# Altium PCB HACK_LINK_V1_new_power.PcbDoc (part 5 of 6)
Units mm, origin at the board's own origin, x right, y up, seen from the top; angles counter-clockwise.
Board outline 67.51 x 40.01 mm, 6 copper layers (L1, L2, L3, GND, POWER, L6); 277 components, 286 nets, 1682 pads, 596 vias.
Unrouted connection lines stored in the file: 4.
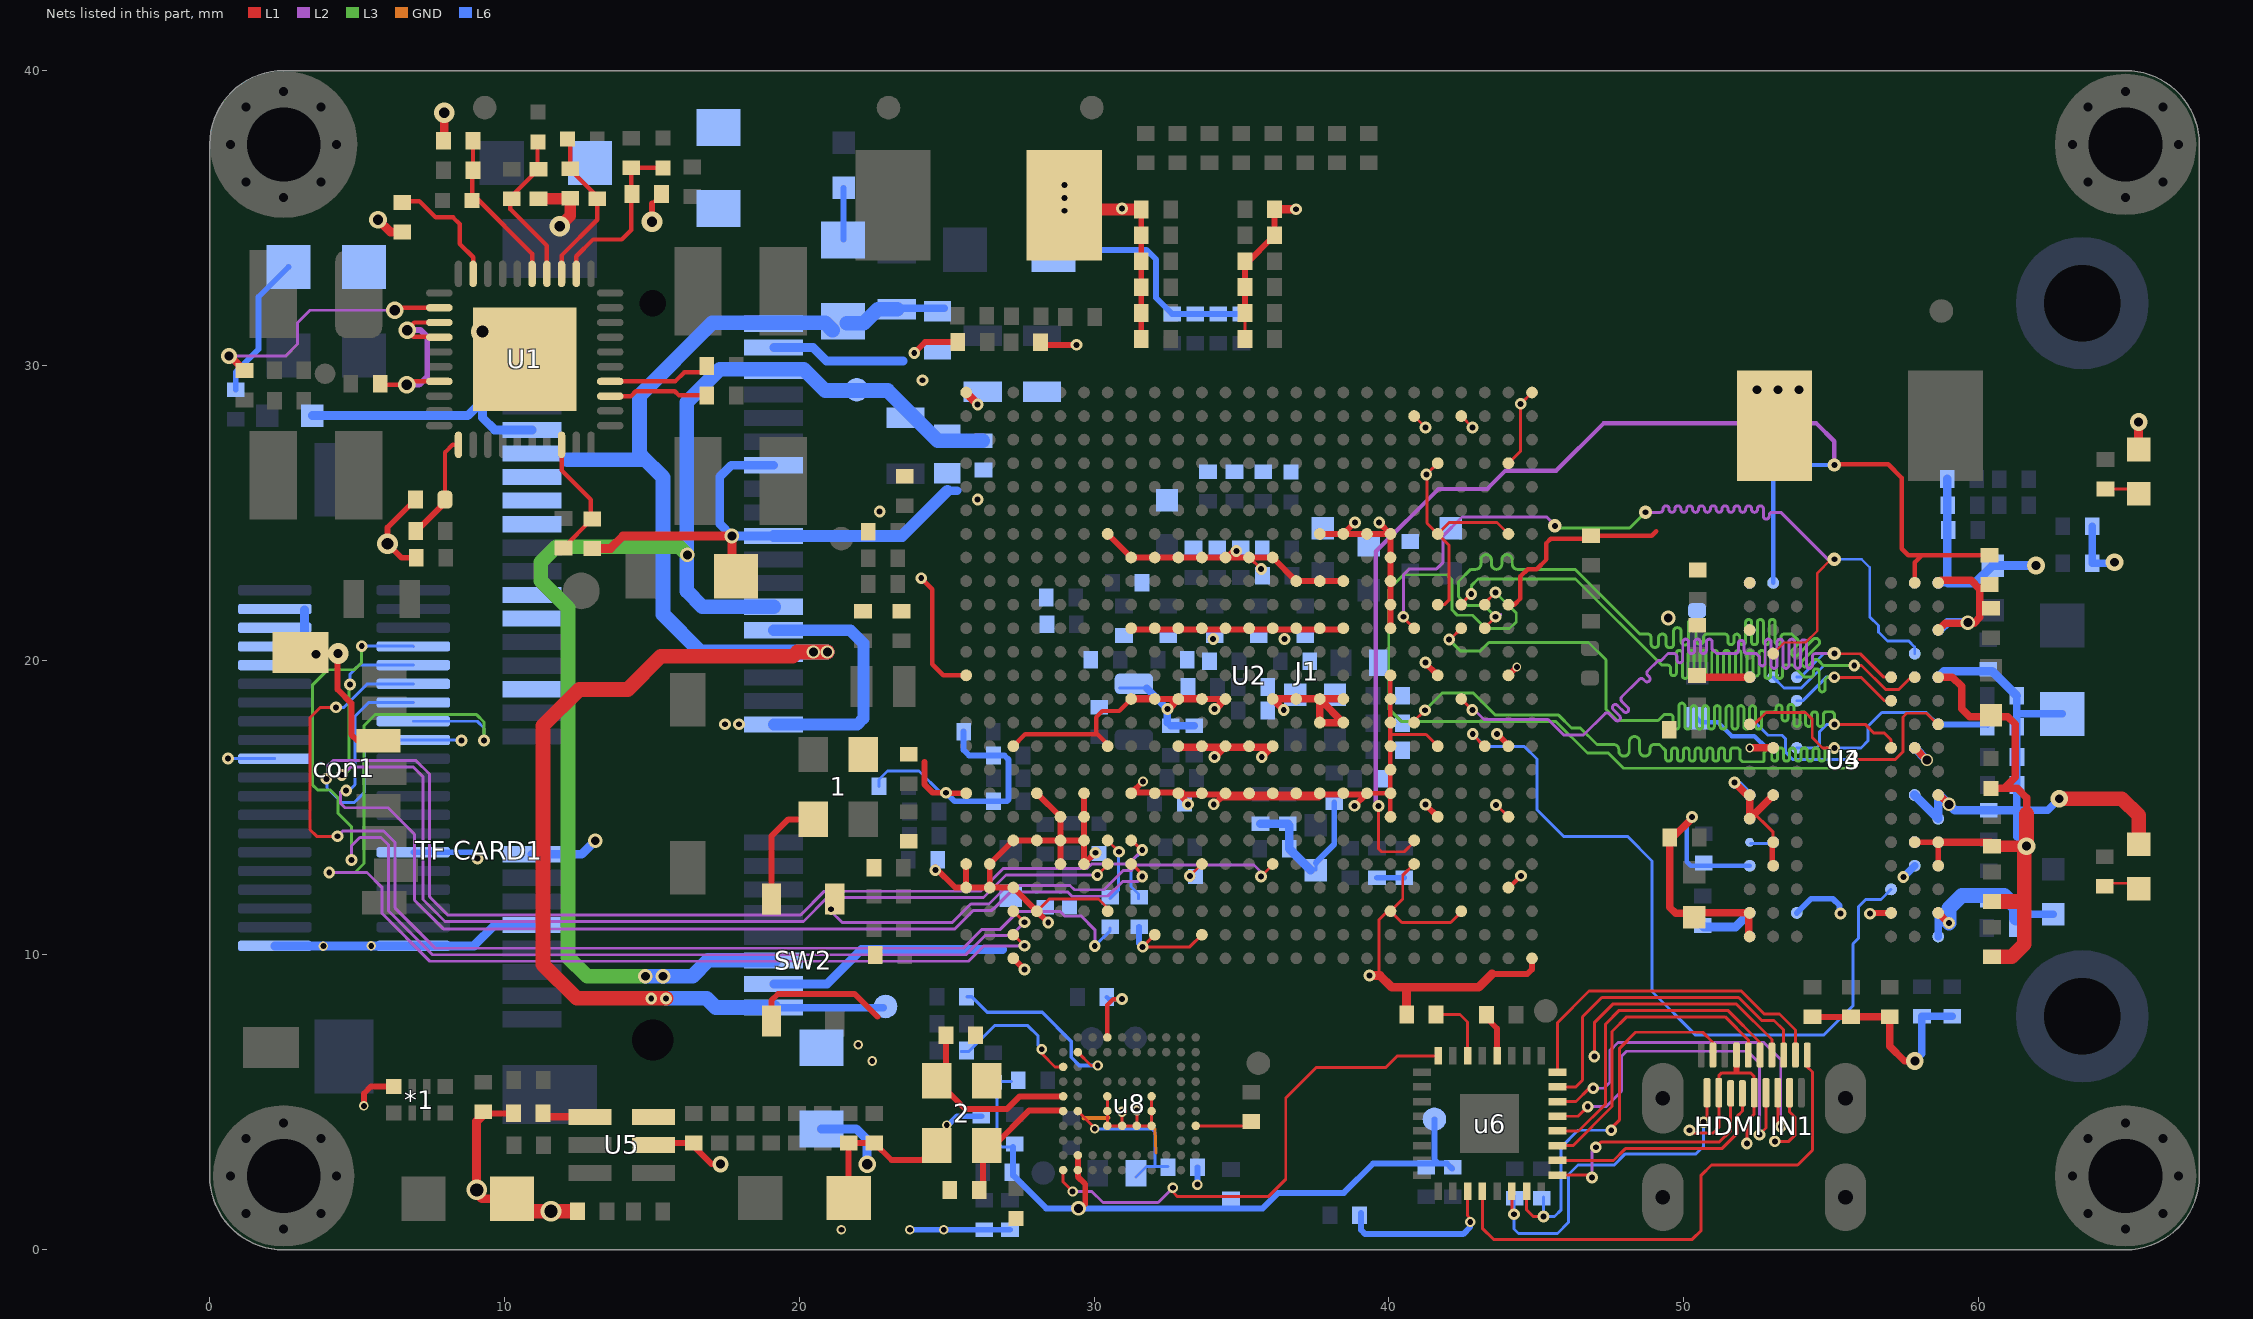
[diagram p9: the nets of this part, all layers, seen from the top]

## Via types
v1: diameter 0.4, hole 0.2, L1 to L6, tented both sides, 388 vias
v2: diameter 0.35, hole 0.2, L1 to L6, tented both sides, 45 vias
v3: diameter 0.45, hole 0.2, L1 to L6, tented both sides, 34 vias
v4: diameter 0.5, hole 0.3, L1 to L6, tented both sides, 31 vias
v5: diameter 0.8, hole 0.4, L1 to L6, 26 vias
v6: diameter 0.325, hole 0.2, L1 to L6, tented both sides, 14 vias
v7: diameter 0.6, hole 0.35, L1 to L6, 8 vias
v8: diameter 0.6, hole 0.3, L1 to L6, tented both sides, 6 vias
v9: diameter 0.45, hole 0.3, L1 to L6, tented both sides, 6 vias
v10: diameter 0.7, hole 0.4, L1 to L6, 5 vias
v11: diameter 0.7, hole 0.35, L1 to L6, 5 vias
v12: diameter 0.3, hole 0.2, L1 to L6, tented both sides, 4 vias
v13: diameter 0.7, hole 0.45, L1 to L6, tented both sides, 3 vias
v14: diameter 0.55, hole 0.3, L1 to L6, 3 vias
v15: diameter 0.5, hole 0.35, L1 to L6, 3 vias
v16: diameter 0.6, hole 0.35, L1 to L6, tented both sides, 2 vias
v17: diameter 0.7, hole 0.3, L1 to L6, 2 vias
v18: diameter 0.55, hole 0.3, L1 to L6, tented both sides, 2 vias
v19: diameter 0.4, hole 0.25, L1 to L6, tented both sides, 2 vias
v20: diameter 0.65, hole 0.335, L1 to L6, tented both sides, 1 vias
v21: diameter 0.6, hole 0.4, L1 to L6, tented both sides, 1 vias
v22: diameter 0.8, hole 0.45, L1 to L6, 1 vias
v23: diameter 0.9, hole 0.9, L1 to L6, 1 vias
v24: diameter 0.7, hole 0.7, L1 to L6, 1 vias
v25: diameter 0.4, hole 0.3, L1 to L6, tented both sides, 1 vias
v26: diameter 0.45, hole 0.25, L1 to L6, tented both sides, 1 vias

## Nets (pads, with @x,y where several pads share a name; then routed paths per layer and width w, separated by ;. In a path a pad name is that pad's centre, name@x,y a point inside that pad or via, vN(x,y) a via of type N, cw(c..) or ccw(c..) an arc to the next point about the centre after c; other vN are vias at no path point) (continued)
DRAM_DQS3_P: U2.AC10 U4.C7 | length 26.5
  L1 w0.1: v1@42.875,17.45 43.225,17.1 U2.AC10@43.25,17.1
  L6 w0.1: v1(42.85,17.5) 43.275,17.075 44.6,17.075 45.03,16.645 45.03,14.922 45.927,14.025 48.1,14.025 48.935,13.19 48.935,8.754 50.414,7.275 54.75,7.275 55.75,8.275 55.75,10.375 55.945,10.57 55.945,11.644 56.185,11.884 56.704,11.884 U4.C7@57.044,12.224
DRAM_RAS_B: U2.AB15 U3.J3 U4.J3 | length 35.6
  L1 w0.1: v1@42.125,20.75 U2.AB15@42.425,21.05 ; v1@55.144,17.824 56.169,17.824 56.469,17.524 56.819,17.524 57.044,17.299 U3.J3@57.044,17.024
  L2 w0.1: v1@42.075,20.7 v1@42.1,20.7
  L3 w0.1: v1@42.05,20.644 v1@42.05,20.694 ; v1(42.05,20.7) v1@42.05,20.694 ; v1(55.119,17.824) 55.119,18.181 55.05,18.25 54.975,18.25 54.946,18.25 54.846,18.25 ccw(c54.846,18.15) 54.746,18.15 54.746,17.85 cw(c54.646,17.85) 54.646,17.75 cw(c54.646,17.85) 54.546,17.85 54.546,18.15 ccw(c54.446,18.15) 54.446,18.25 ccw(c54.446,18.15) 54.346,18.15 54.346,17.85 cw(c54.246,17.85) 54.246,17.75 cw(c54.246,17.85) 54.146,17.85 54.146,18.15 ccw(c54.046,18.15) 54.046,18.25 ccw(c54.046,18.15) 53.946,18.15 53.946,17.85 cw(c53.846,17.85) 53.846,17.75 cw(c53.846,17.85) 53.746,17.85 53.746,18.25 53.746,18.403 ccw(c53.646,18.403) 53.646,18.503 ccw(c53.646,18.403) 53.546,18.403 53.546,18.25 53.546,18.034 cw(c53.446,18.034) 53.446,17.934 cw(c53.446,18.034) 53.346,18.034 53.346,18.25 53.346,18.379 ccw(c53.246,18.379) 53.246,18.479 ccw(c53.246,18.379) 53.146,18.379 53.146,18.35 cw(c53.046,18.35) 53.046,18.25 52.946,18.25 52.746,18.25 52.646,18.25 52.646,17.759 cw(c52.546,17.759) 52.546,17.659 cw(c52.546,17.759) 52.446,17.759 52.446,18.357 ccw(c52.346,18.357) 52.346,18.457 ccw(c52.346,18.357) 52.246,18.357 52.246,17.759 cw(c52.146,17.759) 52.146,17.659 cw(c52.146,17.759) 52.046,17.759 52.046,18.357 ccw(c51.946,18.357) 51.946,18.457 ccw(c51.946,18.357) 51.846,18.357 51.846,17.759 cw(c51.746,17.759) 51.746,17.659 cw(c51.746,17.759) 51.646,17.759 51.646,18.357 ccw(c51.546,18.357) 51.546,18.457 ccw(c51.546,18.357) 51.446,18.357 51.446,17.759 cw(c51.346,17.759) 51.346,17.659 cw(c51.346,17.759) 51.246,17.759 51.246,18.357 ccw(c51.146,18.357) 51.146,18.457 ccw(c51.146,18.357) 51.046,18.357 51.046,17.759 cw(c50.946,17.759) 50.946,17.659 cw(c50.946,17.759) 50.846,17.759 50.846,18.357 ccw(c50.746,18.357) 50.746,18.457 ccw(c50.746,18.357) 50.646,18.357 50.646,17.759 cw(c50.546,17.759) 50.546,17.659 cw(c50.546,17.759) 50.446,17.759 50.446,18.357 ccw(c50.346,18.357) 50.346,18.457 ccw(c50.346,18.357) 50.246,18.357 50.246,17.759 cw(c50.146,17.759) 50.146,17.659 cw(c50.146,17.759) 50.046,17.759 50.046,18.444 ccw(c49.946,18.444) 49.946,18.544 ccw(c49.946,18.444) 49.846,18.444 49.846,17.759 cw(c49.746,17.759) 49.746,17.659 cw(c49.746,17.759) 49.646,17.759 49.646,18.059 ccw(c49.546,18.059) 49.546,18.159 49.346,18.159 49.141,17.954 47.751,17.954 47.37,18.335 47.37,20.013 46.779,20.604 43.394,20.604 43.095,20.305 42.439,20.305 v1@42.05,20.694
  L6 w0.1: U4.J3@53.844,17.024 54.519,17.024 54.619,17.124 54.619,17.574 54.869,17.824 v1(55.119,17.824)
DRAM_RESET_B: R24.2 U2.Y6 U3.T2 U4.T2 | length 44.8
  L1 w0.1: v1(39.65,15.05) 39.65,13.6 39.75,13.5 40.525,13.5 40.86,13.835 U2.Y6@40.86,13.884 ; U2.Y6@40.86,13.884 40.844,13.9 40.85,13.9 U2.Y6@40.86,13.884
  L1 w0.15: v3@55.144,26.649 56.945,26.649 57.41,26.184 57.41,23.784 57.629,23.565 58.091,23.565 ; U3.T2@57.844,22.624 57.844,23.318 58.091,23.565 ; R24.2@60.381,23.565 58.091,23.565
  L2 w0.15: v1@39.712,15.05 39.56,15.202 39.56,23.685 41.684,25.809 43.335,25.809 43.96,26.434 45.685,26.434 47.285,28.034 54.51,28.034 55.119,27.425 v3(55.119,26.624)
  L6 w0.15: U4.T2@53.044,22.624 53.044,26.149 53.519,26.624 v3(55.119,26.624)
DRAM_SDBA0: U2.AC15 U3.M2 U4.M2 | length 36.9
  L1 w0.1: U2.AC15@43.25,21.1 v1@43.55,21.4 ; v1(55.794,19.824) 56.044,19.824 56.869,18.999 57.294,18.999 57.719,19.424 U3.M2@57.844,19.424
  L2 w0.1: v1@43.675,21.55 v1@43.8,21.55
  L3 w0.1: v1@43.625,21.5 v1(43.625,21.475) 43.25,21.85 42.675,21.85 42.37,22.155 42.37,22.669 42.785,23.084 42.95,23.084 ccw(c42.95,23.261) 43.127,23.261 43.127,23.407 cw(c43.304,23.407) 43.304,23.584 cw(c43.304,23.407) 43.481,23.407 43.481,23.261 ccw(c43.658,23.261) 43.658,23.084 ccw(c43.658,23.261) 43.835,23.261 43.835,23.407 cw(c44.012,23.407) 44.012,23.584 cw(c44.012,23.407) 44.189,23.407 44.189,23.261 ccw(c44.366,23.261) 44.366,23.084 46.321,23.084 48.521,20.884 48.788,20.884 cw(c48.788,20.77) 48.902,20.77 48.902,20.55 ccw(c49.016,20.55) 49.016,20.436 49.042,20.436 ccw(c49.042,20.55) 49.156,20.55 49.156,20.77 cw(c49.27,20.77) 49.27,20.884 49.296,20.884 cw(c49.296,20.77) 49.41,20.77 49.41,20.537 ccw(c49.524,20.537) 49.524,20.423 49.55,20.423 ccw(c49.55,20.537) 49.664,20.537 49.664,20.988 cw(c49.778,20.988) 49.778,21.102 49.804,21.102 cw(c49.804,20.988) 49.918,20.988 49.918,20.632 ccw(c50.032,20.632) 50.032,20.518 50.058,20.518 ccw(c50.058,20.632) 50.172,20.632 50.172,21.27 cw(c50.286,21.27) 50.286,21.384 50.312,21.384 cw(c50.312,21.27) 50.426,21.27 50.426,20.657 ccw(c50.54,20.657) 50.54,20.543 50.566,20.543 ccw(c50.566,20.657) 50.68,20.657 50.68,20.77 cw(c50.794,20.77) 50.794,20.884 51.41,20.884 cw(c51.41,20.784) 51.51,20.784 51.51,20.626 ccw(c51.61,20.626) 51.61,20.526 ccw(c51.61,20.626) 51.71,20.626 51.71,20.784 cw(c51.81,20.784) 51.81,20.884 cw(c51.81,20.784) 51.91,20.784 51.91,20.626 ccw(c52.01,20.626) 52.01,20.526 ccw(c52.01,20.626) 52.11,20.626 52.11,21.284 cw(c52.21,21.284) 52.21,21.384 cw(c52.21,21.284) 52.31,21.284 52.31,20.626 ccw(c52.41,20.626) 52.41,20.526 ccw(c52.41,20.626) 52.51,20.626 52.51,21.284 cw(c52.61,21.284) 52.61,21.384 cw(c52.61,21.284) 52.71,21.284 52.71,20.626 ccw(c52.81,20.626) 52.81,20.526 ccw(c52.81,20.626) 52.91,20.626 52.91,21.284 cw(c53.01,21.284) 53.01,21.384 cw(c53.01,21.284) 53.11,21.284 53.11,20.626 ccw(c53.21,20.626) 53.21,20.526 ccw(c53.21,20.626) 53.31,20.626 53.31,20.784 cw(c53.41,20.784) 53.41,20.884 53.685,20.884 53.874,20.695 cw(c53.793,20.615) 53.874,20.534 53.682,20.342 ccw(c53.762,20.261) 53.682,20.18 53.7,20.162 ccw(c53.78,20.243) 53.861,20.162 54.407,20.708 cw(c54.488,20.627) 54.568,20.708 54.586,20.69 cw(c54.506,20.609) 54.586,20.528 54.314,20.255 54.041,19.983 ccw(c54.122,19.902) 54.041,19.821 54.059,19.803 ccw(c54.14,19.884) 54.22,19.803 54.414,19.997 cw(c54.493,19.917) 54.572,19.997 54.745,19.824 v1(55.794,19.824)
  L6 w0.1: U4.M2@53.044,19.424 53.414,19.054 53.997,19.054 54.767,19.824 v1@55.744,19.824
DRAM_SDBA1: U2.Y15 U3.N8 U4.N8 | length 31.5
  L1 w0.08: U3.N8@53.044,20.224 53.419,20.599 54.144,20.599 54.544,20.999 54.544,22.959 v3@55.009,23.424
  L1 w0.1: v1@40.469,21.475 U2.Y15@40.86,21.084 ; v3@55.009,23.424 v3(55.119,23.424)
  L2 w0.1: v1(40.494,21.475) 40.494,22.894 40.7,23.1 41.625,23.1 41.835,23.31 41.835,24.209 42.485,24.859 45.36,24.859 v3@45.685,24.534 ; v3(48.71,25.019) 49.21,25.019 ccw(c49.21,25.119) 49.31,25.119 49.31,25.139 cw(c49.41,25.139) 49.41,25.239 cw(c49.41,25.139) 49.51,25.139 49.51,25.119 ccw(c49.61,25.119) 49.61,25.019 ccw(c49.61,25.119) 49.71,25.119 49.71,25.139 cw(c49.81,25.139) 49.81,25.239 cw(c49.81,25.139) 49.91,25.139 49.91,25.119 ccw(c50.01,25.119) 50.01,25.019 ccw(c50.01,25.119) 50.11,25.119 50.11,25.139 cw(c50.21,25.139) 50.21,25.239 cw(c50.21,25.139) 50.31,25.139 50.31,25.119 ccw(c50.41,25.119) 50.41,25.019 ccw(c50.41,25.119) 50.51,25.119 50.51,25.139 cw(c50.61,25.139) 50.61,25.239 cw(c50.61,25.139) 50.71,25.139 50.71,25.119 ccw(c50.81,25.119) 50.81,25.019 ccw(c50.81,25.119) 50.91,25.119 50.91,25.139 cw(c51.01,25.139) 51.01,25.239 cw(c51.01,25.139) 51.11,25.139 51.11,25.119 ccw(c51.21,25.119) 51.21,25.019 ccw(c51.21,25.119) 51.31,25.119 51.31,25.139 cw(c51.41,25.139) 51.41,25.239 cw(c51.41,25.139) 51.51,25.139 51.51,25.119 ccw(c51.61,25.119) 51.61,25.019 ccw(c51.61,25.119) 51.71,25.119 51.71,25.139 cw(c51.81,25.139) 51.81,25.239 cw(c51.81,25.139) 51.91,25.139 51.91,25.119 ccw(c52.01,25.119) 52.01,25.019 ccw(c52.01,25.119) 52.11,25.119 52.11,25.139 cw(c52.21,25.139) 52.21,25.239 cw(c52.21,25.139) 52.31,25.139 52.31,25.119 ccw(c52.41,25.119) 52.41,25.019 ccw(c52.41,25.119) 52.51,25.119 52.51,25.139 cw(c52.61,25.139) 52.61,25.239 cw(c52.61,25.139) 52.71,25.139 52.71,24.888 ccw(c52.81,24.888) 52.81,24.788 ccw(c52.81,24.888) 52.91,24.888 52.91,24.919 cw(c53.01,24.919) 53.01,25.019 53.303,25.019 54.898,23.424 v3(55.119,23.424)
  L3 w0.1: v3@45.785,24.484 48.175,24.484 v3(48.71,25.019)
  L6 w0.08: 56.044,23.424 56.319,23.149
  L6 w0.09: v3@55.144,23.424 56.044,23.424 ; 56.319,23.149 56.319,21.474 56.619,21.174 56.619,20.954 56.924,20.649 57.644,20.649 57.844,20.449 U4.N8@57.844,20.224
  other v3: 45.635,24.559
DRAM_SDBA2: U2.AB12 U3.M3 U4.M3 | length 31.6
  L1 w0.1: U2.AB12@42.45,18.7 U2.AB12@42.475,18.7 ; U2.AB12@42.485,18.659 v1(42.835,18.309) ; v3@55.144,20.224 55.149,20.219 55.999,20.219 56.794,19.424 U3.M3@57.044,19.424
  L2 w0.1: v1(42.835,18.309) 42.91,18.309 43.235,17.984 45.41,17.984 45.934,17.46 46.611,17.46 47.335,18.184 cw(c47.406,18.113) 47.476,18.184 47.688,17.972 ccw(c47.759,18.042) 47.83,17.972 ccw(c47.759,18.042) 47.83,18.113 47.618,18.325 cw(c47.688,18.396) 47.618,18.467 cw(c47.688,18.396) 47.759,18.467 47.971,18.255 ccw(c48.042,18.325) 48.113,18.255 ccw(c48.042,18.325) 48.113,18.396 47.9,18.608 cw(c47.971,18.679) 47.9,18.75 48.499,19.348 cw(c48.57,19.278) 48.641,19.348 48.695,19.294 ccw(c48.766,19.365) 48.837,19.294 ccw(c48.766,19.365) 48.837,19.436 48.782,19.49 cw(c48.853,19.561) 48.782,19.631 49.135,19.984 49.235,19.984 49.475,20.224 49.675,20.224 cw(c49.675,20.124) 49.775,20.124 49.775,20.012 ccw(c49.875,20.012) 49.875,19.912 ccw(c49.875,20.012) 49.975,20.012 49.975,20.614 cw(c50.075,20.614) 50.075,20.714 cw(c50.075,20.614) 50.175,20.614 50.175,20.324 ccw(c50.275,20.324) 50.275,20.224 ccw(c50.275,20.324) 50.375,20.324 50.375,20.614 cw(c50.475,20.614) 50.475,20.714 cw(c50.475,20.614) 50.575,20.614 50.575,20.324 ccw(c50.675,20.324) 50.675,20.224 ccw(c50.675,20.324) 50.775,20.324 50.775,20.614 cw(c50.875,20.614) 50.875,20.714 cw(c50.875,20.614) 50.975,20.614 50.975,20.369 51.12,20.224 51.76,20.224 ccw(c51.76,20.324) 51.86,20.324 51.86,20.569 cw(c51.96,20.569) 51.96,20.669 cw(c51.96,20.569) 52.06,20.569 52.06,20.324 ccw(c52.16,20.324) 52.16,20.224 52.47,20.224 52.575,20.119 52.575,19.909 ccw(c52.675,19.909) 52.675,19.809 ccw(c52.675,19.909) 52.775,19.909 52.775,20.614 cw(c52.875,20.614) 52.875,20.714 cw(c52.875,20.614) 52.975,20.614 52.975,19.824 ccw(c53.075,19.824) 53.075,19.724 ccw(c53.075,19.824) 53.175,19.824 53.175,20.614 cw(c53.275,20.614) 53.275,20.714 cw(c53.275,20.614) 53.375,20.614 53.375,19.824 ccw(c53.475,19.824) 53.475,19.724 ccw(c53.475,19.824) 53.575,19.824 53.575,20.614 cw(c53.675,20.614) 53.675,20.714 cw(c53.675,20.614) 53.775,20.614 53.775,19.824 ccw(c53.875,19.824) 53.875,19.724 ccw(c53.875,19.824) 53.975,19.824 53.975,20.592 cw(c54.075,20.592) 54.075,20.692 cw(c54.075,20.592) 54.175,20.592 54.175,19.824 ccw(c54.275,19.824) 54.275,19.724 ccw(c54.275,19.824) 54.375,19.824 54.375,20.124 cw(c54.475,20.124) 54.475,20.224 v3(55.119,20.224)
  L6 w0.1: U4.M3@53.844,19.424 53.969,19.424 54.769,20.224 v3(55.119,20.224)
DRAM_SDCKE0: R23.2 U2.Y11 U3.K9 U4.K9 | length 35.7
  L1 w0.1: U2.Y11@40.875,17.95 v1@41.175,18.25 ; U3.K9@52.244,17.824 52.399,17.824 52.8,18.225 54.143,18.225 54.369,17.999 54.369,17.374 54.719,17.024 v1(55.119,17.024)
  L3 w0.1: v1(41.225,18.3) 41.805,18.88 42.871,18.88 43.617,18.134 45.766,18.134 46.2,17.7 46.5,17.7 47.061,17.139 47.629,17.139 cw(c47.629,16.962) 47.806,16.962 47.806,16.92 ccw(c47.983,16.92) 47.983,16.743 ccw(c47.983,16.92) 48.16,16.92 48.16,17.233 cw(c48.337,17.233) 48.337,17.41 cw(c48.337,17.233) 48.514,17.233 48.514,16.92 ccw(c48.691,16.92) 48.691,16.743 ccw(c48.691,16.92) 48.868,16.92 48.868,17.007 cw(c49,17.007) 49,17.139 49.186,17.139 49.395,16.93 49.395,16.674 ccw(c49.495,16.674) 49.495,16.574 ccw(c49.495,16.674) 49.595,16.674 49.595,16.924 cw(c49.695,16.924) 49.695,17.024 cw(c49.695,16.924) 49.795,16.924 49.795,16.674 ccw(c49.895,16.674) 49.895,16.574 ccw(c49.895,16.674) 49.995,16.674 49.995,16.924 cw(c50.095,16.924) 50.095,17.024 cw(c50.095,16.924) 50.195,16.924 50.195,16.674 ccw(c50.295,16.674) 50.295,16.574 ccw(c50.295,16.674) 50.395,16.674 50.395,16.924 cw(c50.495,16.924) 50.495,17.024 cw(c50.495,16.924) 50.595,16.924 50.595,16.674 ccw(c50.695,16.674) 50.695,16.574 ccw(c50.695,16.674) 50.795,16.674 50.795,16.924 cw(c50.895,16.924) 50.895,17.024 cw(c50.895,16.924) 50.995,16.924 50.995,16.674 ccw(c51.095,16.674) 51.095,16.574 ccw(c51.095,16.674) 51.195,16.674 51.195,16.924 cw(c51.295,16.924) 51.295,17.024 cw(c51.295,16.924) 51.395,16.924 51.395,16.674 ccw(c51.495,16.674) 51.495,16.574 ccw(c51.495,16.674) 51.595,16.674 51.595,16.924 cw(c51.695,16.924) 51.695,17.024 51.848,17.024 51.925,16.947 51.925,16.629 52,16.554 52.704,16.554 52.725,16.575 52.725,16.854 52.795,16.924 cw(c52.895,16.924) 52.895,17.024 cw(c52.895,16.924) 52.995,16.924 52.995,16.674 ccw(c53.095,16.674) 53.095,16.574 ccw(c53.095,16.674) 53.195,16.674 53.195,16.924 cw(c53.295,16.924) 53.295,17.024 cw(c53.295,16.924) 53.395,16.924 53.395,16.674 ccw(c53.495,16.674) 53.495,16.574 ccw(c53.495,16.674) 53.595,16.674 53.595,16.924 cw(c53.695,16.924) 53.695,17.024 cw(c53.695,16.924) 53.795,16.924 53.795,16.674 ccw(c53.895,16.674) 53.895,16.574 ccw(c53.895,16.674) 53.995,16.674 53.995,16.924 cw(c54.095,16.924) 54.095,17.024 cw(c54.095,16.924) 54.195,16.924 54.195,16.674 ccw(c54.295,16.674) 54.295,16.574 ccw(c54.295,16.674) 54.395,16.674 54.395,16.924 cw(c54.495,16.924) 54.495,17.024 cw(c54.495,16.924) 54.595,16.924 54.595,16.674 ccw(c54.695,16.674) 54.695,16.574 ccw(c54.695,16.674) 54.795,16.674 54.795,16.924 cw(c54.895,16.924) 54.895,17.024 v1(55.119,17.024)
  L6 w0.1: v1@55.144,17.024 56.019,17.024 56.262,17.267 56.262,17.756 56.73,18.224 58.244,18.224 U4.K9@58.644,17.824 ; R23.2@60.255,17.824 R23.2@60.335,17.744
  L6 w0.2: U4.K9@58.644,17.824 R23.2@60.255,17.824
DRAM_SDODT0: U2.AC16 U3.K1 U4.K1 | length 37.3
  L1 w0.1: U2.AC16@43.275,21.95 v1@43.575,22.25 ; v1@55.744,16.624 57.175,16.624 57.444,16.893 57.444,18.074 57.569,18.199 58.244,18.199 58.619,17.824 U3.K1@58.644,17.824
  L3 w0.1: v1@43.625,22.169 v1(43.625,22.3) 44.325,21.6 44.325,21.3 44.1,21.075 43.294,21.075 42.844,21.525 42.325,21.525 42.15,21.7 42.15,22.725 41.975,22.9 40.5,22.9 40,22.4 40,18.35 40.425,17.925 43.515,17.925 43.526,17.914 45.675,17.914 46.739,16.85 47.45,16.85 47.966,16.334 55.504,16.334 v1@55.794,16.624
  L6 w0.1: U4.K1@52.244,17.824 52.495,17.824 52.865,17.454 53.339,17.454 53.469,17.324 53.469,16.874 53.719,16.624 v1@55.744,16.624
  other v1: 55.719,16.649
DRAM_WE_B: U2.AB16 U3.L3 U4.L3 | length 35.8
  L1 w0.1: U2.AB16@42.45,21.9 v1@42.75,22.2 ; v1@55.144,19.424 55.149,19.419 56.024,19.419 56.819,18.624 U3.L3@57.044,18.624
  L2 w0.1: v1(42.8,22.25) v1@42.9,22.15
  L3 w0.1: v1(42.8,22.25) 42.8,22.524 43.03,22.754 46.34,22.754 49.26,19.834 49.46,19.834 cw(c49.46,19.734) 49.56,19.734 49.56,19.576 ccw(c49.66,19.576) 49.66,19.476 ccw(c49.66,19.576) 49.76,19.576 49.76,20.233 cw(c49.86,20.233) 49.86,20.333 cw(c49.86,20.233) 49.96,20.233 49.96,19.48 ccw(c50.06,19.48) 50.06,19.38 ccw(c50.06,19.48) 50.16,19.48 50.16,20.233 cw(c50.26,20.233) 50.26,20.333 cw(c50.26,20.233) 50.36,20.233 50.36,19.48 ccw(c50.46,19.48) 50.46,19.38 ccw(c50.46,19.48) 50.56,19.48 50.56,20.233 cw(c50.66,20.233) 50.66,20.333 cw(c50.66,20.233) 50.76,20.233 50.76,19.48 ccw(c50.86,19.48) 50.86,19.38 ccw(c50.86,19.48) 50.96,19.48 50.96,20.233 cw(c51.06,20.233) 51.06,20.333 cw(c51.06,20.233) 51.16,20.233 51.16,19.48 ccw(c51.26,19.48) 51.26,19.38 ccw(c51.26,19.48) 51.36,19.48 51.36,20.233 cw(c51.46,20.233) 51.46,20.333 cw(c51.46,20.233) 51.56,20.233 51.56,19.48 ccw(c51.66,19.48) 51.66,19.38 ccw(c51.66,19.48) 51.76,19.48 51.76,20.233 cw(c51.86,20.233) 51.86,20.333 cw(c51.86,20.233) 51.96,20.233 51.96,19.48 ccw(c52.06,19.48) 52.06,19.38 ccw(c52.06,19.48) 52.16,19.48 52.16,20.233 cw(c52.26,20.233) 52.26,20.333 cw(c52.26,20.233) 52.36,20.233 52.36,19.534 52.435,19.459 52.485,19.459 52.56,19.534 52.56,20.233 cw(c52.66,20.233) 52.66,20.333 cw(c52.66,20.233) 52.76,20.233 52.76,19.48 ccw(c52.86,19.48) 52.86,19.38 ccw(c52.86,19.48) 52.96,19.48 52.96,20.233 cw(c53.06,20.233) 53.06,20.333 cw(c53.06,20.233) 53.16,20.233 53.16,19.48 ccw(c53.26,19.48) 53.26,19.38 ccw(c53.26,19.48) 53.36,19.48 53.36,19.734 cw(c53.46,19.734) 53.46,19.834 53.696,19.834 54.106,19.424 54.306,19.424 ccw(c54.306,19.524) 54.406,19.524 54.406,19.61 cw(c54.506,19.61) 54.506,19.71 cw(c54.506,19.61) 54.606,19.61 54.606,19.025 ccw(c54.706,19.025) 54.706,18.925 ccw(c54.706,19.025) 54.806,19.025 54.806,19.324 cw(c54.906,19.324) 54.906,19.424 v1(55.119,19.424)
  L6 w0.1: U4.L3@53.844,18.624 54.044,18.624 54.844,19.424 v1(55.119,19.424)
FB_B1: C7.2 R3.1 R4.2 U1.24 | length 5.4
  L1 w0.15: C7.2@11.116,37.65 11.116,36.626 11.096,36.606 10.196,35.706 10.196,35.606 10.196,35.304 11.432,34.068 U1.24@11.432,33.109
FB_B2: C8.2 R6.1 R7.1 U1.25 | length 5.6
  L1 w0.15: R6.1@8.9,36.47 C8.2@8.9,35.597 8.9,35.447 9.089,35.636 10.932,33.793 U1.25@10.932,33.109 ; R6.1@8.925,36.625 R7.1@8.925,37.625
FB_B3: C5.2 R1.1 R2.2 U1.22 | length 5.9
  L1 w0.15: U1.22@12.432,33.109 12.432,33.707 13,34.275 13.975,34.275 14.296,34.596 R1.1@14.296,36.631 ; R1.1@14.296,36.706 C5.2@15.362,36.706
FB_B4: C10.2 R9.1 R12.1 U1.23 | length 5.3
  L1 w0.15: U1.23@11.932,33.109 11.932,33.732 13.142,34.942 R9.1@13.142,35.66 ; C10.2@12.225,37.629 12.225,36.65 R9.1@13.142,35.733
FB_L2: R15.1 R16.1 U1.1 | length 3.7
  L1 w0.15: R15.1@7.156,24.429 R15.1@7.156,24.533 ; R16.1@7.975,25.425 7.975,27.05 8.234,27.309 U1.1@8.432,27.309
  L1 w0.2: R15.1@7.156,24.533 R16.1@8.119,25.496
FB_L4: R19.1 R20.1 U1.8 | length 4.5
  L1 w0.15: U1.8@11.932,27.309 11.932,26.443 12.925,25.45 R20.1@12.925,24.621 ; R19.1@11.994,23.815 R20.1@12.968,24.789
GND: 1.2 1.4 2.2 2.4 "HDMI IN1.4" "HDMI IN1.7" "HDMI IN1.10" "HDMI IN1.13" "HDMI IN1.16" "TF CARD1.6" *1.8 C1.2 C2.2 C3.2 C4.2 C6.2 C9.2 C11.2 C12.2 c13.2 C14.2 C15.2 C16.2 C17.2 C18.2 C19.2 C21.2 C22.C C23.2 C24.2 C25.2 C26.2 C27.2 C28.2 C29.2 C30.2 C31.2 C32.2 C33.2 C34.2 C35.2 C36.2 C37.2 C38.2 C39.2 C40.2 C41.2 C42.2 C43.2 C45.2 C46.2 C50.2 C52.2 C53.2 C54.2 C55.2 C56.2 c57.1 C58.1 C59.1 C60.2 C61.2 C62.2 C63.2 C64.2 C65.2 C66.2 C67.2 C68.2 C69.2 C70.2 C71.2 C72.2 C73.2 C74.2 C75.2 C76.2 C77.2 C78.2 C79.2 C80.2 C81.2 C82.2 C83.2 C84.2 C85.2 C86.2 C87.2 C88.2 C89.2 C90.2 C91.2 C92.2 C93.2 C94.2 C95.2 C96.2 C97.2 C98.2 C99.2 C100.2 C101.2 C103.2 C104.2 C105.2 C106.2 C107.2 C108.2 C109.2 C110.2 C111.2 C112.2 C114.2 C115.2 C116.2 C117.2 C118.2 C119.2 C120.2 C121.2 C122.2 C123.2 C124.2 C125.2 C126.2 C127.2 C128.2 C129.2 C130.2 C131.2 C132.2 C134.2 C135.2 con1.15 con1.20 con1.21 con1.31 con1.36 con1.37 con1.38 con1.39 D1.2 D2.2 J1.4 J1.9 J1.15 J1.18 J1.21 J1.26 J1.27 J1.29 J1.34 J1.35 J1.37 J1.40 J1.43 J1.50 R2.1 R4.1 R7.2 R12.2 R16.2 R18.1 R20.2 R23.1 R24.1 R25.1 R26.1 R27.2 R29.1 R32.1 R33.1 R34.1 R35.1 R36.2 R45.1 R48.1 R49.1 R50.2 R57.1 R74.2 R86.1 R87.1 R88.1 R89.1 R90.1 R91.1 R92.1 R93.1 R94.1 R95.1 R96.1 R97.1 R98.1 R99.1 R100.1 R101.1 R102.1 R103.1 R104.1 R105.1 SW2.2 SW2.4 U1.41 U2.A4 U2.A5 U2.A8 U2.A13 U2.A25 U2.AA7 U2.AA10 U2.AA13 U2.AA16 U2.AA19 U2.AA22 U2.AB3 U2.AB24 U2.AD4 U2.AD7 U2.AD10 U2.AD13 U2.AD16 U2.AD19 U2.AD22 U2.AE1 U2.AE25 U2.B4 U2.B5 U2.C1 U2.C4 U2.C6 U2.C10 U2.D3 U2.D6 U2.D8 U2.E5 U2.E6 U2.E7 U2.F5 U2.F6 U2.F7 U2.F8 U2.G3 U2.G10 U2.G19 U2.H8 U2.H12 U2.H15 U2.H18 U2.J2 U2.J8 U2.J12 U2.J15 U2.J18 U2.K8 U2.K10 U2.K12 U2.K15 U2.K18 U2.L2 U2.L5 U2.L8 U2.L10 U2.L12 U2.L15 U2.L18 U2.M8 U2.M10 U2.M12 U2.M15 U2.M18 U2.N8 U2.N10 U2.N15 U2.N18 U2.P8 U2.P10 U2.P12 U2.P15 U2.P18 U2.R8 U2.R12 U2.R15 U2.R17 U2.T8 U2.T11 U2.T12 U2.T15 U2.T17 U2.T19 U2.U8 U2.U11 U2.U12 U2.U15 U2.U17 U2.U19 U2.V8 U2.V19 U2.W3 U2.W7 U2.W8 U2.W9 U2.W10 U2.W11 U2.W12 U2.W13 U2.W15 U2.W16 U2.W17 U2.W18 U2.W19 U2.Y5 U2.Y24 U3.A9 U3.B1 U3.B3 U3.B9 U3.D1 U3.D8 U3.E1 U3.E2 U3.E8 U3.F9 U3.G1 U3.G8 U3.G9 U3.J2 U3.J8 U3.M1 U3.M9 U3.P1 U3.P9 U3.T1 U3.T9 U4.A9 U4.B1 U4.B3 U4.B9 U4.D1 U4.D8 U4.E1 U4.E2 U4.E8 U4.F9 U4.G1 U4.G8 U4.G9 U4.J2 U4.J8 U4.M1 U4.M9 U4.P1 U4.P9 U4.T1 U4.T9 U5.2 u8.D4 u8.D5 u8.D6 u8.E4 u8.F4 u8.G4 u8.G5 u8.G6 | length 412